# Altium PCB Baseplate.PcbDoc
Units mil, origin at the board's own origin, x right, y up, seen from the top; angles counter-clockwise.
Board outline 3828.93 x 2255.32 mil, 2 copper layers (Top Layer, Bottom Layer); 102 components, 81 nets, 353 pads, 169 vias.
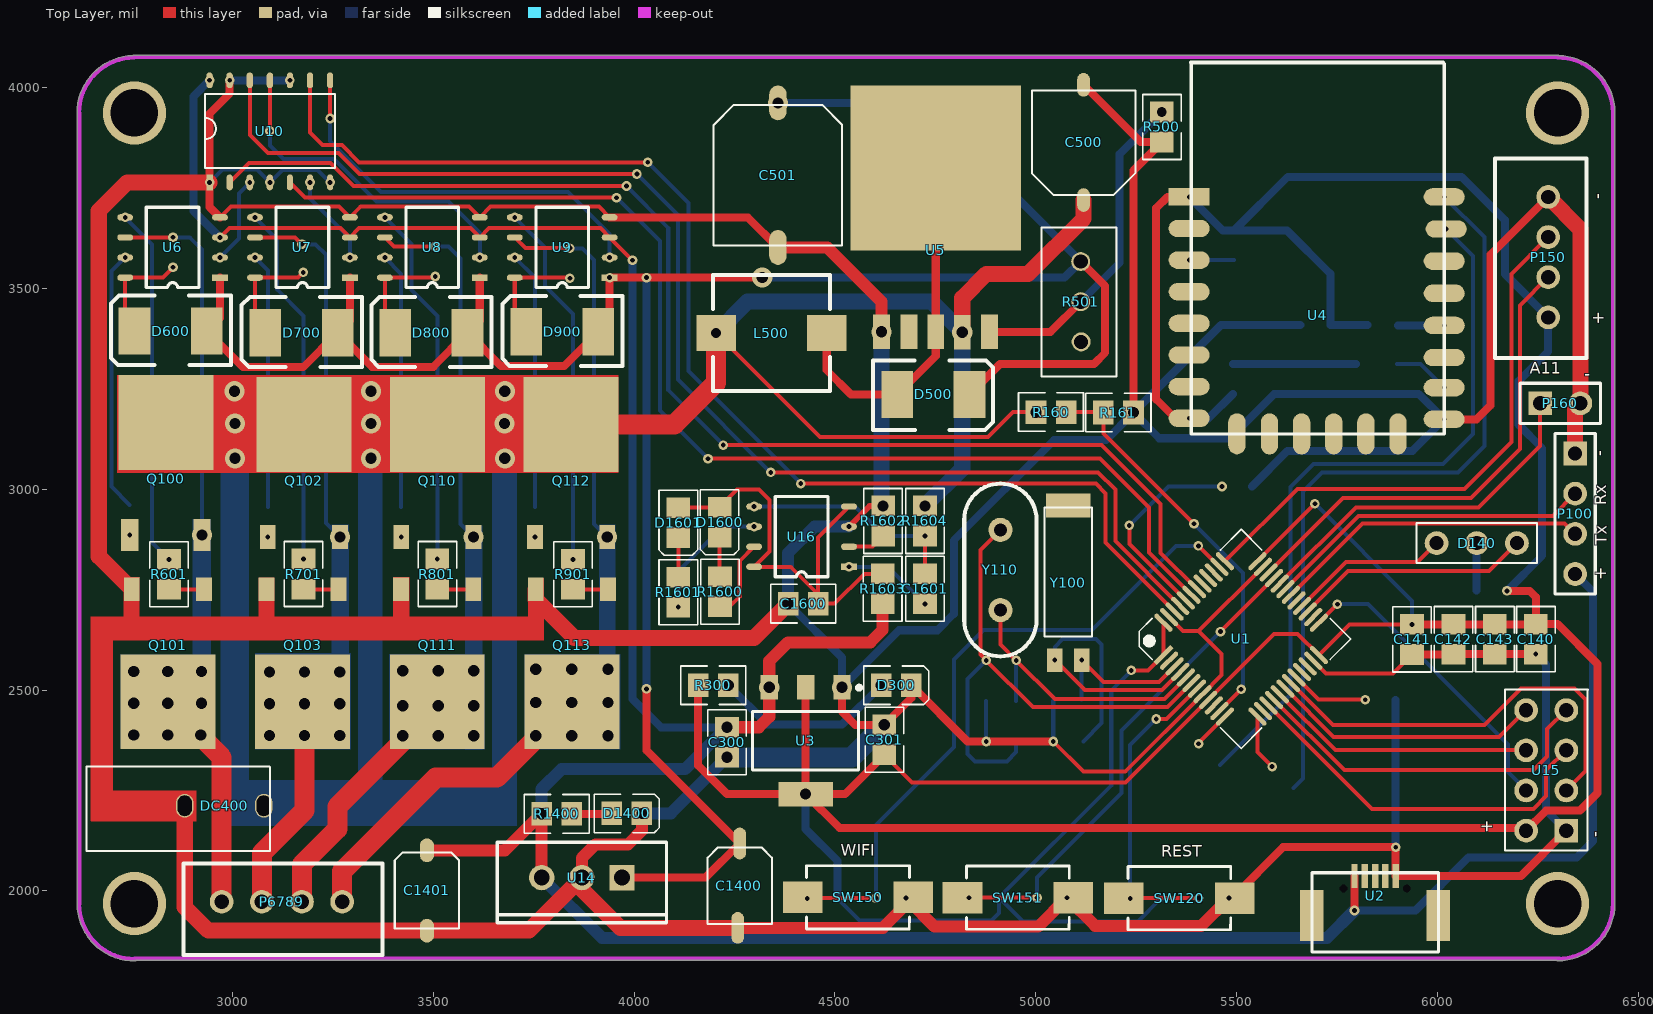
[diagram p0: Top Layer view]
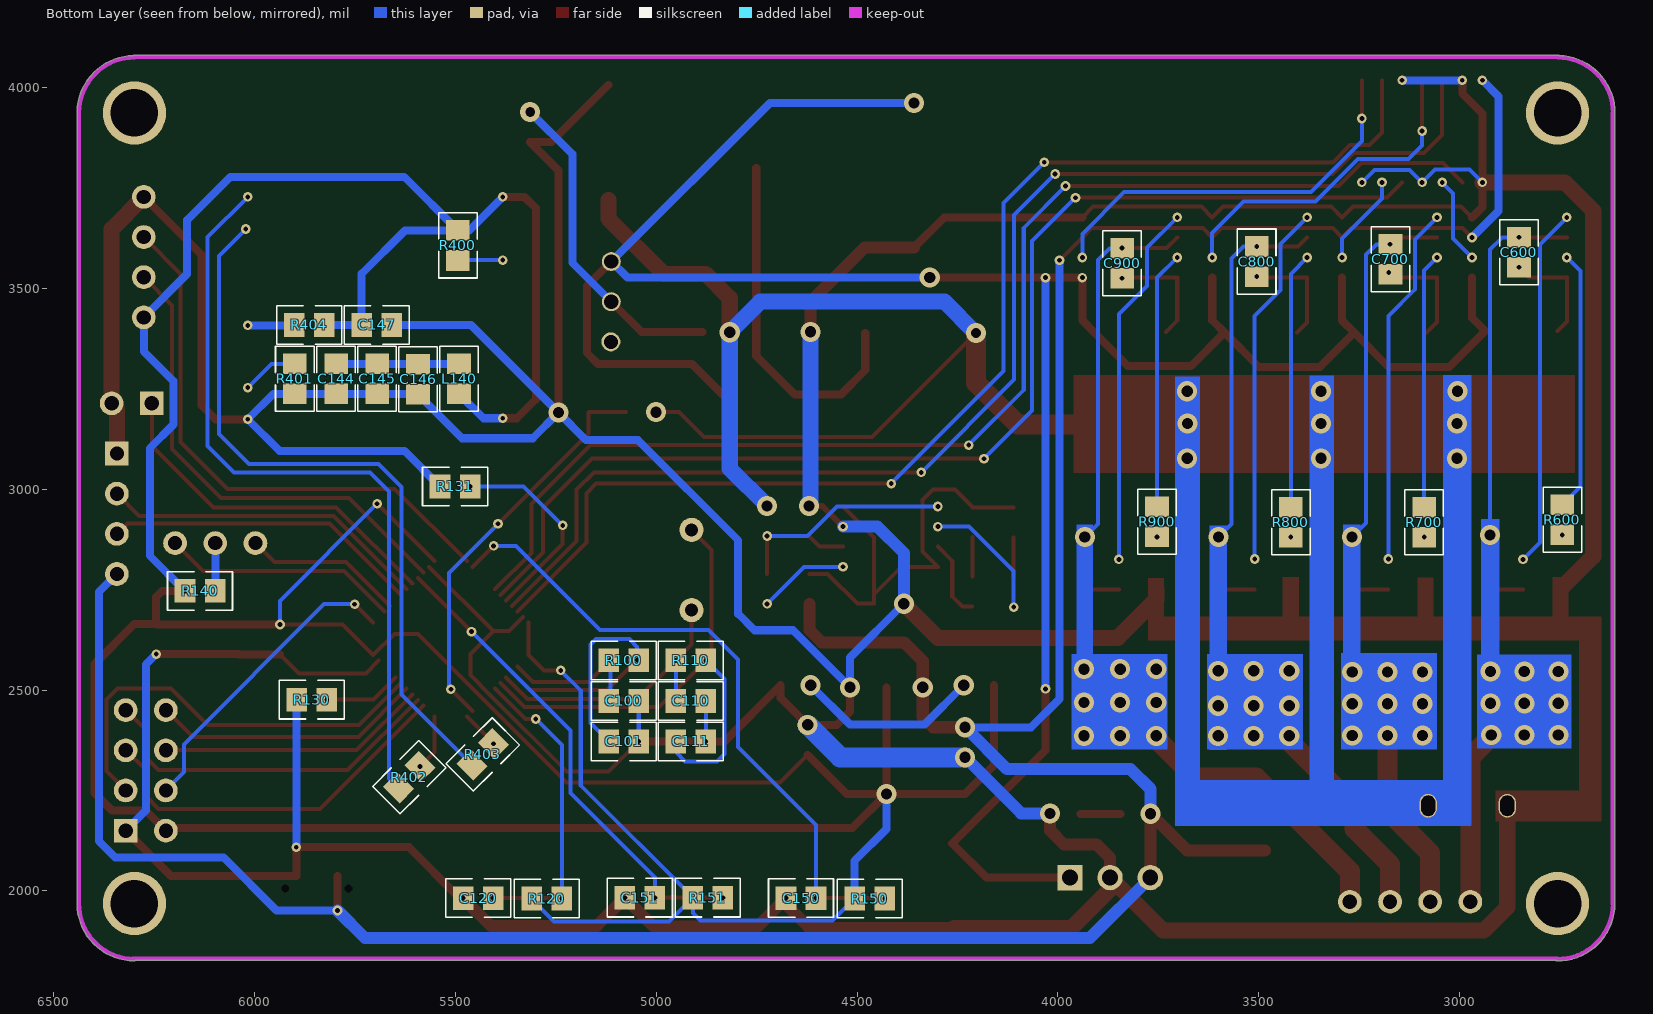
[diagram p1: Bottom Layer view, seen from below]
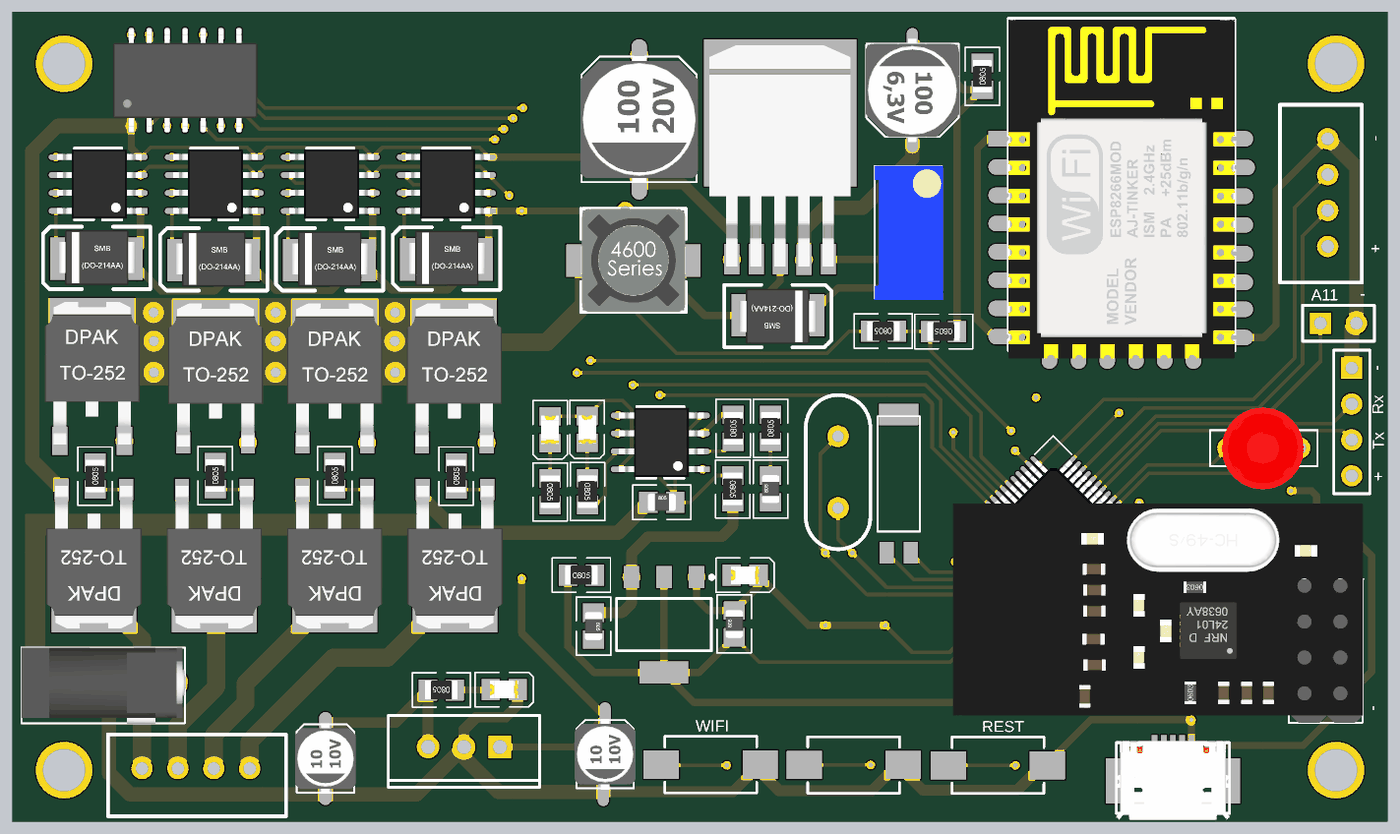
[diagram p2: 3D render of the assembled board from above, using the file's embedded part models]
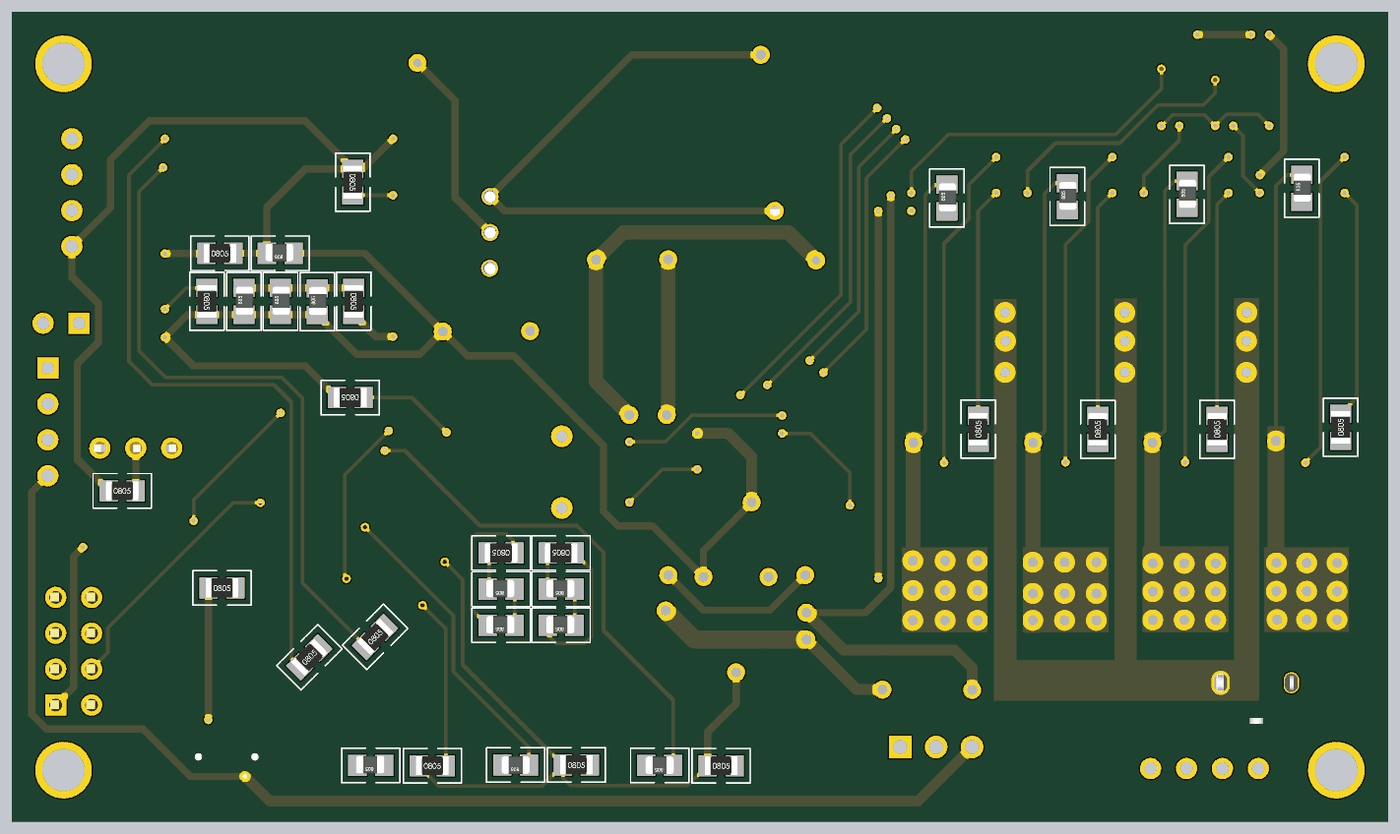
[diagram p3: 3D render of the assembled board from below, using the file's embedded part models]

## Layer stack, top to bottom
Top Solder: solder mask 0.4, Solder Resist, Dk 3.5
Top Layer: signal copper 1.4
Dielectric 1: dielectric 12.6, FR-4, Dk 4.8
Bottom Layer: signal copper 1.4
Bottom Solder: solder mask 0.4, Solder Resist, Dk 3.5

## Board outline
2613.1,1967.51 ccw(c2755.91,1968.5) 2756.53,1825.69 ccw(c2756.51,1830.71) 2759.86,1826.98 6296.81,1826.98 ccw(c6300.17,1830.71) 6300.2,1825.7 ccw(c6299.21,1968.5) 6442.02,1968.5 ccw(c6299.21,1968.5) 6442.02,1969.13 ccw(c6437.01,1969.11) 6441.93,1970.07 ccw(c6437,1970.99) 6442.02,1970.99 6442.02,3937.75 ccw(c6437,3937.96) 6442.02,3937.96 ccw(c6437,3937.96) 6442.02,3938 ccw(c6299.21,3937.01) 6442.02,3938.51 6442.02,3939.79 ccw(c6437,3939.79) 6441.98,3940.35 ccw(c6299.21,3937.01) 6302,4079.79 ccw(c6298.72,4076) 6298.72,4081.01 2755.12,4081.01 ccw(c2755.12,4076) 2751.81,4079.76 ccw(c2755.91,3937.01) 2613.1,3936.38 ccw(c2618.11,3936.41) 2613.99,3933.56 2613.99,1970.4 ccw(c2618.11,1967.55)

## Design rules (kind name [scope] priority, off if disabled: settings)
Clearance [All] p1: gap=6
HoleSize [All] p1: absolutevalues=TRUE maxlimit=200 minlimit=1 maxpercent=80.000 minpercent=20.000
MinimumSolderMaskSliver [All] p1: minsoldermaskwidth=1
PolygonConnect [All] p1: connectstyle=Relief reliefconductorwidth=10 reliefentries=4 polygonreliefangle="90 Angle" airgapwidth=10
RoutingVias [All] p1: holewidth=28 width=50 viastyle="Through Hole" minholewidth=12 minwidth=24 maxholewidth=28 maxwidth=60
SolderMaskExpansion [All] p1: expansion=4
Width Width_2 [InNet('AGND')] p1: maxlimit=50 minlimit=10 preferedwidth=10 minimp=50.000000 maximp=50.000000 favimp=50.000000
Width Width_1 [InNet('POWER')] p2: maxlimit=50 minlimit=10 preferedwidth=50 minimp=50.000000 maximp=50.000000 favimp=50.000000
Width MOTOR4 [InNet('MOTOR4')] p3: maxlimit=50 minlimit=10 preferedwidth=10 minimp=50.000000 maximp=50.000000 favimp=50.000000
Width MOTOR3 [InNet('MOTOR3')] p4: maxlimit=50 minlimit=10 preferedwidth=10 minimp=50.000000 maximp=50.000000 favimp=50.000000
Width MOTOR2 [InNet('MOTOR2')] p5: maxlimit=50 minlimit=10 preferedwidth=10 minimp=50.000000 maximp=50.000000 favimp=50.000000
Width MOTOR1 [InNet('MOTOR1')] p6: maxlimit=50 minlimit=10 preferedwidth=10 minimp=50.000000 maximp=50.000000 favimp=50.000000
Width 3V3 [InNet('3V3')] p7: maxlimit=20 minlimit=10 preferedwidth=20 minimp=50.000000 maximp=50.000000 favimp=50.000000
Width 12V [InNet('12V')] p8: maxlimit=20 minlimit=10 preferedwidth=15 minimp=50.000000 maximp=50.000000 favimp=50.000000
Width 7V2 [InNet('7V2')] p9: maxlimit=50 minlimit=10 preferedwidth=20 minimp=50.000000 maximp=50.000000 favimp=50.000000
Width 5V [InNet('5V')] p10: maxlimit=30 minlimit=10 preferedwidth=20 minimp=50.000000 maximp=50.000000 favimp=50.000000
Width GND [InNet('GND')] p11: maxlimit=100 minlimit=10 preferedwidth=30 minimp=50.000000 maximp=50.000000 favimp=50.000000
Width [All] p12: maxlimit=20 minlimit=10 preferedwidth=10 minimp=50.000000 maximp=50.000000 favimp=50.000000
28 further rules are at their usual default settings.

## Components (designator, comment, footprint, x,y, rotation, side; value= is the part's Value field where it differs from the comment)
C100 "22pf" 0805 5081,2473 r0 bottom
C101 "22pf" 0805 5081,2372 r0 bottom
C110 "22pf" 0805 4914,2473 r0 bottom
C111 "22pf" 0805 4914,2372 r0 bottom
C120 "Cap" 0805 5443.6,1982 r0 bottom
C140 "100nF" 0805 6245,2627 r90 top
C141 "100nF" 0805 5937,2626 r90 top
C142 "100nF" 0805 6040,2627 r90 top
C143 "100nF" 0805 6143,2627 r90 top
C144 "100nF" 0805 5797,3275 r90 bottom
C145 "100nF" 0805 5695,3275 r90 bottom
C146 "100nF" 0805 5593,3274 r90 bottom
C147 "100nF" 0805 5696,3409 r0 bottom
C150 "0.1UF" Cap0805 4639.6,1982 r0 bottom
C151 "0.1UF" Cap0805 5040.6,1983 r0 bottom
C300 "10UF" Cap0805 4231,2370 r270 top
C301 "22UF" Cap0805 4623,2376 r90 top
C500 "100UF" SMD6.3*7.7 5119,3863 r90 top
C501 "Cap Pol5" SMD8*10.5 4358,3782 r270 top
C600 "10UF" 0805 2852,3590 r90 bottom
C700 "10UF" 0805 3172,3573 r90 bottom
C800 "10UF" 0805 3505,3567 r90 bottom
C900 "10UF" 0805 3840,3563 r90 bottom
C1400 "10UF" SMD4*4.5#1 4263,2013 r270 top
C1401 "10UF" SMD4*4.5#2 3484,2001 r270 top
C1600 "10UF" Cap0805 4421,2715 r0 top
C1601 "10UF" Cap0805 4724,2752 r90 top
D140 "双色LED" ˫ɫLED 6198,2866 r180 top
D300 "LED0" LED-0805 4653,2512 r0 top
D500 "SS17" DO-214AA 4660,3236 r0 top
D600 "SS14" DO-214AA 2931,3394 r180 top
D700 "SS14" DO-214AA 3257,3390 r180 top
D800 "SS14" DO-214AA 3580,3390 r180 top
D900 "SS14" DO-214AA 3906,3392 r180 top
D1400 "LED0" LED-0805 3982,2193 r0 top
D1600 "绿" LED-0805 4213,2918 r270 top
D1601 "红" LED-0805 4110,2917 r270 top
DC400 "DC-03" DC-003 3078,2212 r270 top
L140 "Inductor" 0805 5491,3275 r270 bottom
L500 "Inductor" 68uH-7*7 4204,3389 r0 top
P100 "Header 4" HDR1X4 6343,3089 r270 top
P150 "SWD" XH2.54-4P 6276,3428 r90 top
P160 "Header 2" HDR1X2 6256,3214 r0 top
P6789 "Header 4" XH2.54-4P 3273,1973 r180 top
Q100 "NMOS" DPAK/TO-252AA#1 2839,3036 r0 top
Q101 "NMOS" DPAK/TO-252AA#2 2839,2601 r180 top
Q102 "NMOS" DPAK/TO-252AA#2 3178,3031.08 r0 top
Q103 "NMOS" DPAK/TO-252AA#2 3174.33,2601 r180 top
Q110 "NMOS" DPAK/TO-252AA#2 3510,3031.08 r0 top
Q111 "NMOS" DPAK/TO-252AA#2 3509.67,2601 r180 top
Q112 "NMOS" DPAK/TO-252AA#2 3843,3031.08 r0 top
Q113 "NMOS" DPAK/TO-252AA#2 3845,2601 r180 top
R100 "Res" 0805 5081,2574 r0 bottom
R110 "Res" 0805 4914,2574 r0 bottom
R120 "Res" 0805 5272.6,1981 r180 bottom
R130 "Res" 0805 5858,2476 r180 bottom
R131 "Res" 0805 5501,3007 r0 bottom
R140 "Res" 0805 6136,2747 r180 bottom
R150 "Res" 0805 4468.6,1981 r180 bottom
R151 "Res" 0805 4871.6,1983 r180 bottom
R160 "Res" 0805 5038,3192 r180 top
R161 "Res" 0805 5206,3191 r180 top
R300 "Res" 0805 4197,2512 r0 top
R400 "Res" 0805 5494,3607 r270 bottom
R401 "Res" 0805 5900,3275 r270 bottom
R402 "Res" 0805 5615,2283 r135 bottom
R403 "Res" 0805 5432,2340 r135 bottom
R404 "Res" 0805 5864,3409 r180 bottom
R500 "Res" 0805 5314,3902 r90 top
R501 "10K" 3296W 5112,3567 r270 top
R600 "" 0805 2744,2924 r90 bottom
R601 "" 0805 2842,2788 r90 top
R700 "" 0805 3088,2918 r90 bottom
R701 "" 0805 3177,2789 r90 top
R800 "" 0805 3420,2918 r90 bottom
R801 "" 0805 3510,2789 r90 top
R900 "" 0805 3753,2919 r90 bottom
R901 "" 0805 3848,2788 r90 top
R1400 "Res" 0805 3807,2192 r180 top
R1600 "Res" 0805 4214,2745 r270 top
R1601 "Res" 0805 4110,2744 r270 top
R1602 "Res" 0805 4620,2921 r90 top
R1603 "Res" 0805 4619,2752 r270 top
R1604 "Res" 0805 4724,2921 r90 top
SW120 "SW-PB" SW-PB 5359.6,1982 r0 top
SW150 "SW-PB" SW-PB 4559.6,1984 r0 top
SW151 "SW-PB" SW-PB 4957.6,1983 r0 top
U1 "STM32F103CBT6" LQFP-48 5318,2587 r45 top
U2 "microusb" microusb 5845,1982 r180 top
U3 "ASM1117-3.3V" SOT-223 4427,2374 r180 top
U4 "ESP8266" ESP8266 5382,3728 r0 top
U5 "XL6009" TO-263-5 4741,3797 r270 top
U6 "IR2401S" SOP8 2969,3527 r180 top
U7 "IR2401S" SOP8 3292.33,3527 r180 top
U8 "IR2401S" SOP8 3615.67,3527 r180 top
U9 "IR2401S" SOP8 3939,3527 r180 top
U10 "74HC125D" SOP14 2943,3764 r90 top
U14 "L7805" TO-220-3 3870,2033 r180 top
U15 "NRF24L01+" DIP8NRF 6221,2451 r0 top
U16 "TP4056" SOP8 4535,2807 r180 top
Y100 "32.768K" 308晶振 5081,2767 r270 top
Y110 "8MHz" X-HC49U 4912,2799 r270 top

## Footprints (in the part's own frame and the unit in brackets; to place one, negate y for a bottom-side part, rotate by r counter-clockwise, add the part's x,y. Pads: shape width x height; smd on the part's side, far side on the other; paste and mask are expansions set on the pad)
68uH-7*7 [mm] "功率电感"
  rect 2.5x2.3 smd: 1(0,0) 2(7,0)
  silkscreen extent -0.2,-3.66 7.21,3.66, body extent -0.21,-3.64 7.22,3.66, height 4.55
308晶振 [mm] "32.768KHz"
  rect 1.5x2.8 smd: 0(-4.889,0)
  rect 1.5x1 smd: 1(4.889,-0.85) 2(4.889,0.85)
  silkscreen extent -4.76,-1.5 3.39,1.5, body extent -4.76,-1.5 3.37,1.55, height 3
0805 [mm]
  rect 1.3x1.5 smd: 1(-0.95,0) 2(0.95,0)
  silkscreen extent -2.06,-1.22 2.06,1.22, body extent -0.95,-0.68 1.05,0.57, height 0.78
3296W [mm] "可调变阻器"
  round 1.2 hole 0.9: 1(0,0) 2(2.54,0) 3(5.08,0.025)
  silkscreen extent -2.16,-2.49 7.26,2.26, body extent -2.18,-2.51 7.32,2.34, height 11.5
Cap0805 [mm] "贴片电容"
  rect 1.3x1.5 smd: 1(-0.95,0) 2(0.95,0)
  silkscreen extent -2.06,-1.22 2.06,1.22, body extent -1,-0.62 1,0.63, height 0.78
DC-003 [mm]
  oval 1.5x1.1 hole 0.9 slot 1.3 at 0 deg: 1(0,0) 2(0,-5)
  silkscreen extent -2.49,-11.2 2.87,0.38, body extent -2.5,-11.22 2.9,0.38, height 7.4
DIP8NRF [mm]
  rect 1.5x1.5 hole 0.9: 1(2.54,-7.645)
  round 1.5 hole 0.9: 2(0,-7.645) 3(2.54,-5.105) 4(0,-5.105) 5(2.54,-2.565) 6(0,-2.565) 7(2.54,-0.025) 8(0,-0.025)
  silkscreen extent -1.35,-8.92 3.91,1.3, body extent -25.11,-8.89 3.89,6.6, height 11.12
DO-214AA [mm] "肖特基二极管"
  rect 2x3 smd: 1(-0.127,0) 2(4.445,0)
  silkscreen extent -1.65,-2.26 5.94,2.16, body extent -0.62,-2.03 4.88,1.87, height 2.45
DPAK/TO-252AA#1 [mm] "N沟MOS管"
  rect 1.1x2 smd: 1(-2.413,-3.81) 3(2.159,-3.81)
  rect 6x6 smd: 2(-0.127,3.302)
  body extent -3.49,-4.06 3.24,6.04, height 2.37
DPAK/TO-252AA#2 [mm] "N沟MOS管"
  rect 1x1.5 smd: 1(-2.286,-3.81) 3(2.286,-3.81)
  rect 6x6 smd: 2(0,3.302)
  body extent -3.37,-4.07 3.37,6.03, height 2.37
ESP8266 [mm]
  rect 2.6x1.1 smd: 1(0,0)
  oval 2.6x1.1 smd: 2(0,-2) 3(0,-4) 4(0,-6) 5(0,-8) 6(0,-10) 7(0,-12) 8(0,-14) 15(16.127,-14.065) 16(16.127,-12.065) 17(16.129,-10.16) 18(16.129,-8.128) 19(16.129,-6.096) 20(16.129,-4.064) 21(16.256,-2.032) 22(16.129,0)
  oval 1.1x2.6 smd: 9(3.018,-14.984) 10(5.08,-14.986) 11(7.112,-14.986) 12(9.144,-14.986) 13(11.176,-14.986) 14(13.208,-14.986)
  silkscreen extent 0.13,-15 16.13,8.51, body extent 0.12,-15.56 16.13,8.44, height 2.65
HDR1X2 [mm] "Connector; Header; 2 Position"
  rect 1.5x1.5 hole 0.9: 1(0,0)
  round 1.5 hole 0.9: 2(2.54,0)
  silkscreen extent -1.27,-1.27 3.81,1.27
HDR1X4 [mm] "Connector; Header; 4 Position"
  rect 1.5x1.5 hole 0.9: 1(0,0)
  round 1.5 hole 0.9: 2(2.54,0) 3(5.08,0) 4(7.62,0)
  silkscreen extent -1.27,-1.27 8.89,1.27
LED-0805 [mm]
  rect 1.3x1.5 smd: 1(-0.95,0) 2(0.95,0)
  silkscreen extent -2.06,-1.22 2.06,1.22, body extent -1,-0.62 1,0.63, height 0.81
LQFP-48 [mm]
  rect 1.5x0.3 smd: 1(0,0)
  oval 1.5x0.3 smd: 2(0,-0.5) 3(0,-1) 4(0,-1.5) 5(0,-2) 6(0,-2.5) 7(0,-3) 8(0,-3.5) 9(0,-4) 10(0,-4.5) 11(0,-5) 12(0,-5.5) 25(8.4,-5.5) 26(8.4,-5) 27(8.4,-4.5) 28(8.4,-4) 29(8.4,-3.5) 30(8.4,-3) 31(8.4,-2.5) 32(8.4,-2) 33(8.4,-1.5) 34(8.4,-1) 35(8.4,-0.5) 36(8.4,0)
  oval 0.3x1.5 smd: 13(1.45,-6.95) 14(1.95,-6.95) 15(2.45,-6.95) 16(2.95,-6.95) 17(3.45,-6.95) 18(3.95,-6.95) 19(4.45,-6.95) 20(4.95,-6.95) 21(5.45,-6.95) 22(5.95,-6.95) 23(6.45,-6.95) 24(6.95,-6.95) 37(6.95,1.45) 38(6.45,1.45) 39(5.95,1.45) 40(5.45,1.45) 41(4.95,1.45) 42(4.45,1.45) 43(3.95,1.45) 44(3.45,1.45) 45(2.95,1.45) 46(2.45,1.45) 47(1.95,1.45) 48(1.45,1.45)
  silkscreen extent -0.7,-7.65 9.1,2.15, body extent -0.31,-7.29 8.69,1.71, height 1.5
microusb [mm]
  rect 1.5x3.2 smd: 0(4,1.1) 6(-4,1.1)
  rect 0.4x1.5 smd: 1(1.3,-1.4) 2(0.65,-1.4) 3(0,-1.4) 4(-0.65,-1.4) 5(-1.3,-1.4)
  round 0 hole 0.5: 8(2,-0.6) 9(-2,-0.6)
  silkscreen extent -4,-1.6 4,3.4, body extent -4.04,-1.71 4.04,3.86, height 2.73
SMD4*4.5#1 [mm] "10UF/16V"
  oval 2x0.8 smd: 1(-2.667,0) 2(2.667,-0.127)
  silkscreen extent -2.41,-2.03 2.41,2.03, body extent -2.5,-2.15 2.5,2.15, height 5.4
SMD4*4.5#2 [mm] "10UF/16V"
  oval 1.5x0.9 smd: 1(-2.54,0) 2(2.54,0)
  silkscreen extent -2.41,-2.03 2.41,2.03, body extent -2.5,-2.15 2.5,2.15, height 5.4
SMD6.3*7.7 [mm] "100UF/35V电解电容"
  oval 1.5x0.8 smd: 1(-3.632,0) 2(3.658,0)
  silkscreen extent -3.3,-3.28 3.3,3.25, body extent -3.65,-3.3 3.65,3.3, height 5.9
SMD8*10.5 [mm] "220UF/35V"
  oval 2.2x1.1 smd: 1(-4.572,0) 2(4.572,0)
  silkscreen extent -4.45,-4.06 4.45,4.06, body extent -4.5,-4.15 4.5,4.15, height 11.9
SOP8 [mm]
  rect 1x0.4 smd: 1(0,0)
  oval 1x0.4 smd: 2(0,-1.27) 3(0,-2.54) 4(0,-3.81) 5(6,-3.81) 6(6,-2.54) 7(6,-1.27) 8(6,0)
  silkscreen extent 1.33,-4.44 4.67,0.64, body extent -0.08,-4.36 5.92,0.54, height 1.75
SOP14 [mm]
  rect 1x0.4 smd: 1(0,0)
  oval 1x0.4 smd: 2(0,-1.27) 3(0,-2.54) 4(0,-3.81) 5(0,-5.08) 6(0,-6.35) 7(0,-7.62) 8(6.457,-7.62) 9(6.457,-6.35) 10(6.457,-5.08) 11(6.457,-3.81) 12(6.457,-2.54) 13(6.457,-1.27) 14(6.457,0)
  silkscreen extent 0.91,-7.92 5.59,0.28, body extent -0.43,-8.92 6.87,1.28, height 1.1
SOT-223 [mm]
  rect 1.1x1.55 smd: 1(-2.3,-3.375) 2(0,-3.375) 3(2.3,-3.375)
  rect 3.45x1.55 smd: 4(0,3.375)
  silkscreen extent -3.5,-3.48 3.35,1.85, body extent -3.3,-3.94 3.3,3.43, height 0.8
SW-PB [mm] "贴片按键"
  rect 2.5x2 smd: 1(-3.556,0) 2(3.444,0)
  silkscreen extent -3.31,-2 3.19,2, body extent -3.3,-2.03 3.17,2.03, height 1.2
TO-220-3 [mm]
  rect 1.6x1.6 hole 1: 1(-2.54,0)
  round 1.6 hole 1: 2(0,0) 3(2.54,0)
  silkscreen extent -5.35,-2.24 5.35,2.85, body extent -7.23,-1.83 7.17,9.09, height 21.1
TO-263-5 [mm]
  rect 2.16x1.07 smd: 1(10.287,-3.175) 2(10.287,-1.448) 3(10.287,0.254) 4(10.312,1.93) 5(10.287,3.658)
  rect 10.41x10.8 smd: 3(-0.076,0.254)
  body extent -4.86,-4.78 10.81,5.22, height 4.83
X-HC49U [mil] "直插无源晶振"
  round 60 hole 32: 1(-100,0) 2(100,0)
  silkscreen extent -215,-90 215,90, body extent -186,-89 194,91, height 87
XH2.54-4P [mm] "SWD下载口"
  round 1.5 hole 0.9: 1(0,0) 2(2.54,0) 3(5.08,0) 4(7.62,0)
  silkscreen extent -2.57,-2.41 10.03,3.38, body extent -2.57,-2.42 10.03,3.38, height 7
˫ɫLED [mm] "共阳"
  round 1.5 hole 0.9: 1(0,0) 2(2.54,0) 3(5.08,0)
  silkscreen extent -1.27,-1.27 6.35,1.27, body extent -0.43,-2.88 5.51,2.92, height 12.08

## Part data
C100 C101 C110 C111 C140 C141 C142 C143 C144 C145 C146 C147 C150 C151 C600 C700 C800 C900 C1600 C1601: library part Cap, "0805贴片电容"
C120: "0805贴片电容"
C300: library part "Cap Pol3", "10UF钽电容"
C301: library part "Cap Pol2", "22UF钽电容"
C500: library part "Cap Pol4", "100UF电解电容"
C501: "220UF电解电容"
C1400 C1401: library part "Cap Pol4", "10UF钽电容"
D140: library part ˫ɫLED, "直插双色LED灯"
D300 D1400: "0805贴片LED灯"
D500: library part "Diode 1N4007", "1 Amp General Purpose Rectifier"
D600 D700 D800 D900: library part Doide, "肖特基二极管"
D1600 D1601: library part LED0, "0805贴片LED灯"
DC400: library part DC-05, "DC电源端子"
P100 P6789: "Header, 4-Pin"
P150: "SWD下载端口"
P160: "Header, 2-Pin"
Q100 Q101 Q102 Q103 Q110 Q111 Q112 Q113: "N沟MOS管"
R140 R150 R151 R160 R161 R400 R401 R402 R403 R404 R1600 R1601 R1602 R1603 R1604: "0805贴片电阻"
R501: library part ResAdj, "3362电阻"
R600 R601 R700 R701 R800 R801 R900 R901: library part Res
SW120 SW150 SW151: "贴片按键"
U1: library part STM32F103C8T6, "Cortex-M3内核单片机"
U3: library part ASM1117, "线性稳压芯片"
U4: "串口wifi模块"
U5: "升压芯片"
U6 U7 U8 U9: "半桥驱动器"
U14: "5V线性稳压芯片"
U15: "直插式NRF"
U16: "锂电池充电芯片"
Y110: library part XTAL, "无源晶振"

## Free pads (board coordinates)
  round 157.48 hole 118.11: 0(2755.91,1968.5) 0(2755.91,3937.01) 0(6299.21,1968.5) 0(6299.21,3937.01)

## Via types
v1: diameter 24, hole 12, Top Layer to Bottom Layer, 99 vias
v2: diameter 50, hole 28, Top Layer to Bottom Layer, 68 vias
v3: diameter 50, hole 24, Top Layer to Bottom Layer, 2 vias

## Nets (pads, with @x,y where several pads share a name; then routed paths per layer and width w, separated by ;. In a path a pad name is that pad's centre, name@x,y a point inside that pad or via, vN(x,y) a via of type N, cw(c..) or ccw(c..) an arc to the next point about the centre after c; other vN are vias at no path point)
5V: C300.1 C1401.1 P100.4 R1400.2 R1603.2 U2.1 U3.3 U6.3 U7.3 U8.3 U9.3 U10.14 U14.3 | length 8151.8
  Top Layer w10: v1(2969,3627) 2992,3650 3269.33,3650 U7.3 3315.33,3650 3592.67,3650 U8.3 3638.67,3650 3916,3650 U9.3 v1(3996,3570)
  Top Layer w20: v1(5793.82,1951.18) U2.1
  Top Layer w30: C1401.1 3678.6,2101 v2(3769.6,2192) U14.3@3769.6,2033.4 ; v2(4231,2407.4) 4310.4,2407.4 4336.45,2433.45 v2(4336.45,2506.87) 4336.45,2572.45 4383,2619 4588,2619 4619,2650 R1603.2
  Bottom Layer w20: v1(2943,4018.22) 2903,3978.22 2903,3693 v1(2969,3627) ; v1(3996,3570) 3996,2478 4066.6,2407.4 v2(4231,2407.4) ; v1(5793.82,1951.18) 5945.18,1951.18 6077,2083 6347,2083 6388,2124 6388,2744 P100.4
  Bottom Layer w30: v2(3769.6,2192) 3769.6,2253.6 3819,2303 4126.6,2303 v2(4231,2407.4) ; U14.3 3920,1883 5725.64,1883 v1(5793.82,1951.18)
12V: C501.1 C1400.1 D500.2 D600.1 D700.1 D800.1 D900.1 R501.1 U6.1 U7.1 U8.1 U9.1 U14.1 | length 6355.1
  Top Layer w20: U6.1 2969,3427 D600.1 3026,3304 3176,3304 D700.1 ; U7.1 3292.33,3420.33 D700.1 ; U8.1 3615.67,3420.67 D800.1 ; U14.1 4178,2033 C1400.1 4031,2350 v1(4031,2503) ; v2(4319,3527) v1(4031,3527) v1(3939,3527) 3939,3420 D900.1 3826,3307 3668,3307 D800.1 ; D500.2 4911,3312 5145,3312 5173,3340 5173,3506 R501.1 ; D700.1 3347,3305 3500,3305 D800.1
  Bottom Layer w20: v1(4031,2503) 4031,3525 4032,3526 v1(4031,3527) ; v2(4319,3527) 5072,3527 R501.1 4717,3962 v2(4358,3962)
BATTERY: R160.1 R161.2 U1.11 | length 1003.6
  Top Layer w10: R160.1 R161.2@5167.6,3192 ; R161.2 5168.6,3139.4 v1(5394,2914) ; U1.11 v1(5511.39,2502)
  Bottom Layer w10: v1(5394,2914) 5516,2792 5516,2506.61 v1(5511.39,2502)
BOOT0: R131.1 U1.44 | length 515.6
  Top Layer w10: v1(5233,2910) 5233,2864.09 U1.44
  Bottom Layer w10: v1(5233,2910) 5330,3007 v1(5463.6,3007)
BOOT1: R130.2 U1.20 | length 194.2
  Top Layer w10: U1.20 5704.6,2476 v1(5820.6,2476)
ESP_RX: R403.2 U1.12 | length 94.6
  Top Layer w10: v1(5405.55,2366.45) 5405.55,2368.33 U1.12
ESP_TX: R402.2 U1.13 | length 139.6
  Top Layer w10: U1.13 5551.85,2346.15 v1(5588.55,2309.45)
GND: C100.1 C101.1 C110.1 C111.1 C120.2 C140.1 C141.1 C142.1 C143.1 C144.1 C145.1 C146.1 C147.1 C150.2 C151.2 C300.2 C301.2 C500.2 C501.2 C1400.2 C1401.2 C1600.1 D300.2 D1400.2 DC400.2 P100.1 P150.4 P160.2 Q101.3 Q103.3 Q111.3 Q113.3 R130.1 R131.2 R161.1 R401.2 R500.1 R1602.2 SW120.2 SW150.2 SW151.2 U1.8 U1.23 U1.35 U1.47 U2.5 U3.1 U4.15 U5.1 U6.4 U7.4 U8.4 U9.4 U10.1 U10.4 U10.7 U10.10 U10.13 U14.2 U15.1 U16.3 | length 19715.3
  Top Layer w10: U6.4 2996,3704 3265.33,3704 U7.4 3319.33,3704 3588.67,3704 U8.4 3642.67,3704 3912,3704 U9.4 ; v1(5043.6,2372) 5118.6,2297 5222.87,2297 U1.8 5463,2537.13 5463,2589.84 5405.84,2647 ; U1.47 5366.57,2647 5405.84,2647 ; U1.35 5405.84,2647 ; U1.23 5723.12,2541 5889.4,2541 C141.1
  Top Layer w15: v1(4535,2907) 4586.4,2958.4 v2(4620,2958.4)
  Top Layer w20: U6.4 2943,3703 v1(2943,3764) 2943,3935 2993,3985 v1(2993,4018.22) ; U9.4 4283,3677 C501.2 ; v2(4517.55,2506.87) 4517.55,2446.45 4550.6,2413.4 v2(4623,2413.4) 4690.4,2480.8 D300.2 4830.4,2372 v1(4876.6,2372) v1(5043.6,2372) ; C500.2 5261.4,3864.6 R500.1 5243.4,3794 v2(5243.4,3191) ; SW120.2 5492.19,1985 5616.01,2108.82 v1(5896.18,2108.82) U2.5 6208.12,2037.12 U15.1 ; C141.1 6039,2588.6 C142.1 C143.1 v1(6245,2589.6) ; v1(6016.92,3174.26) 6097.26,3174.26 6132,3209 6132,3584 P150.4
  Top Layer w30: U14.2 3870,2082 3904,2116 3985,2116 4019.4,2150.4 v2(4019.4,2193) ; C1400.2 4619.19,1908 SW150.2@4685.1,1973.91 ; C501.2 4481,3602 4616,3467 v2(4616,3392) ; v1(4677,1982) SW150.2@4685.1,1973.91 ; v1(5481,1982) 5412,1913 5148,1913 v1(5078,1983) 5006,1911 4748,1911 SW150.2@4685.1,1973.91
  Top Layer w40: Q101.3 2667,2833 2667,3693 2738,3764 v1(2943,3764) ; DC400.2 2881.15,1959.85 2940,1901 C1401.2 3738,1901 U14.2 3870,2004 3966,1908 C1400.2 ; Q113.3 3755,2726 3851,2630 4298.6,2630 v2(4383.6,2715) ; P150.4 6356,3648 P160.2 6343,3201 P100.1
  Bottom Layer w10: v1(2943,3764) 2975,3796 3061,3796 v1(3093,3764) 3124,3795 3212,3795 v1(3243,3764) ; v1(4876.6,2372) C110.1 ; v1(5043.6,2372) C100.1
  Bottom Layer w20: v1(2993,4018.22) v1(3143,4018.22) ; v2(4383.6,2715) 4517.55,2581.04 v2(4517.55,2506.87) 4659.68,2649 4755,2649 4796,2690 4796,2873 5046,3123 5175.4,3123 v2(5243.4,3191) ; R131.2 5626.4,3095 5937.66,3095 v1(6016.92,3174.26) 5953.58,3237.6 R401.2 C146.1@5594,3237.6 ; C146.1 5483.4,3127 5307.4,3127 v2(5243.4,3191) ; C147.1 5461.4,3409 v2(5243.4,3191) ; v1@5896,2108.82 R130.1@5896,2475.4 ; v1(6245,2589.6) 6271,2563.6 6271,2200 U15.1
  Bottom Layer w30: v2(4019.4,2193) 4091.4,2193 v2(4231,2332.6) ; v2(4383.6,2715) 4383.6,2841.6 4449,2907 v1(4535,2907)
  Bottom Layer w40: v2(4616,3392) 4616,2962.4 v2(4620,2958.4)
  Bottom Layer w50: v2(4231,2332.6) 4542.2,2332.6 v2(4623,2413.4)
JTCK: P150.3 U1.37 | length 1384.1
  Top Layer w10: U1.37 5651.27,3001 6067,3001 6184,3118 6184,3536 P150.3
JTMS: P150.2 U1.34 | length 1210.5
  Top Layer w10: U1.34 5764.68,2978 6084,2978 6206,3100 6206,3458 P150.2
KEY1: C151.1 R151.2 SW151.1 U1.33 | length 1226.2
  Top Layer w10: SW151.1 v1(5003.2,1983) ; v1(5460,2645.48) U1.33
  Bottom Layer w10: v1(5003.2,1983) 5003.2,2033.2 5214,2244 5214,2399.48 v1(5460,2645.48)
  other v1: 4834.2,1983
KEY_DOOR: P160.1 U1.32 | length 896.5
  Top Layer w10: U1.32 5797.36,2955 6103,2955 6256,3108 P160.1
LIGHT_GREE: D140.1 U1.27 | length 591.5
  Top Layer w10: U1.27 5777.55,2796 6128,2796 D140.1
LIGHT_REG: D140.3 U1.28 | length 399.6
  Top Layer w10: U1.28 5772.71,2819 5951,2819 D140.3
MOTOR1: C600.2 P6789.4 Q100.3 Q101.2 U6.6 | length 1464.1
  Top Layer w10: U6.6 v1@2851.6,3627
  Top Layer w50: v2(2838.5,2467) 2973,2332.5 P6789.4
  Bottom Layer w10: v1(2852,3627.4) 2893.6,3627.4 2924,3597 v2(2924,2886)
  other v2: 2754,2388 2838.5,2388 2921,2388 2754,2467 2923,2467 2754,2546 2838.5,2546 2923,2546
MOTOR2: C700.2 P6789.3 Q102.3 Q103.2 U7.6 | length 1448.2
  Top Layer w10: U7.6 3156,3627 v1(3173,3610)
  Top Layer w50: P6789.3 3073,2094 3179.5,2200.5 v2(3179.5,2466)
  Bottom Layer w10: C700.2@3174,3610 3207,3610 3233,3584 3233,2916.08 v2(3268,2881.08)
  other v2: 3092,2387 3179.5,2387 3267,2387 3092,2466 3267,2466 3092,2545 3179.5,2545 3267,2545
MOTOR3: C800.2 P6789.2 Q110.3 Q111.2 U8.6 | length 1545.1
  Top Layer w10: U8.6 3402.04,3604.4 v1(3505,3604.4)
  Top Layer w50: P6789.2 3173,2066 3261,2154 3261,2209.5 v2(3512.5,2461)
  Bottom Layer w10: C800.2@3506,3605 3538,3605 3568,3575 3568,2913.08 v2(3600,2881.08)
  other v2: 3424,2386 3512.5,2386 3601,2386 3424,2461 3601,2461 3424,2548 3512.5,2548 3601,2548
MOTOR4: C900.2 P6789.1 Q112.3 Q113.2 U9.6 | length 1743.8
  Top Layer w10: U9.6 3729.38,3600.4 v1(3840,3600.4)
  Top Layer w50: P6789.1 3273,2049 3506,2282 3658,2282 v2(3845,2469)
  Bottom Layer w10: C900.2@3842,3600 3871,3600 3900,3571 3900,2914.08 v2(3933,2881.08)
  other v2: 3755,2386 3845,2386 3935,2386 3755,2469 3935,2469 3755,2552 3845,2552 3935,2552
NetC144_2: C144.2 C145.2 C146.2 L140.1 | length 306
  Bottom Layer w20: L140.1 C144.2
NetC600_1: C600.1 D600.2 U6.8 | length 272.4
  Top Layer w10: D600.2 2732.78,3417.22 U6.8 2826.4,3527 v1(2852,3552.6)
NetC700_1: C700.1 D700.2 U7.8 | length 273
  Top Layer w10: D700.2 3056.11,3415.89 U7.8 3163,3527 v1(3176,3540)
NetC800_1: C800.1 D800.2 U8.8 | length 274.2
  Top Layer w10: D800.2 3379.45,3415.55 U8.8 3502.4,3527 v1(3505,3529.6)
NetC900_1: C900.1 D900.2 U9.8 | length 284.5
  Top Layer w10: D900.2 3702.78,3420.22 U9.8 3838.6,3527 v1(3840,3525.6)
NetC1600_2: C1600.2 D1600.1 D1601.1 R1603.1 U16.4 U16.8 | length 1113.4
  Top Layer w10: D1601.1 D1600.1@4212,2954.4 ; D1600.1 4256.6,2999 4311,2999 4337,2973 4337,2845.22 U16.8 4390,2807 4458.4,2738.6 C1600.2 ; U16.4 4458.4,2880.4 C1600.2 ; R1603.1 4573.4,2789.4 4499,2715 C1600.2
NetC1601_1: C1601.1 U16.1 | length 227.3
  Bottom Layer w10: v1(4535,2807) 4631.6,2807 v1(4724,2714.6)
NetC1601_2: C1601.2 R1604.1 U16.5 | length 549.8
  Top Layer w10: C1601.2 v1(4724,2883.6)
  Bottom Layer w10: v1(4298.78,2957) 4550,2957 4623.4,2883.6 v1(4724,2883.6)
NetD140_2: D140.2 R140.2 | length 118.4
  Bottom Layer w20: R140.2@6098,2747.6 D140.2
NetD300_1: D300.1 R300.2 | length 462.4
  Bottom Layer w20: v2(4234.4,2512) 4332.4,2414 4517.6,2414 v2(4615.6,2512)
NetD500_1: D500.1 L500.2 U5.3 | length 896.8
  Top Layer w20: L500.2 4479.59,3296.41 4540,3236 D500.1 4751,3332 4751,3392 U5.3@4751,3800
NetD1400_1: D1400.1 R1400.1 | length 99.2
  Top Layer w20: R1400.1 D1400.1@3943.6,2192
NetD1600_2: D1600.2 R1600.1 | length 97.2
  Top Layer w10: R1600.1@4213,2783.4 D1600.2
NetD1601_2: D1601.2 R1601.1 | length 98.2
  Top Layer w10: R1601.1 D1601.2
NetQ100_1: Q100.1 R600.1
  other v1: 2744,2886
NetQ101_1: Q101.1 R601.1 | length 86.6
  Top Layer w10: R601.1 Q101.1@2928.6,2750.6
NetQ102_1: Q102.1 R700.1
  other v1: 3088,2881.08
NetQ103_1: Q103.1 R701.1 | length 86.7
  Top Layer w10: R701.1@3177.6,2751 Q103.1
NetQ110_1: Q110.1 R800.1
  other v1: 3420,2881.08
NetQ111_1: Q111.1 R801.1 | length 89.1
  Top Layer w10: R801.1@3510.6,2751 Q111.1
NetQ112_1: Q112.1 R900.1
  other v1: 3753,2881.08
NetQ113_1: Q113.1 R901.1 | length 86.6
  Top Layer w10: R901.1@3848.4,2751 Q113.1
NetR400_2: R400.2 U4.3 | length 111.1
  Bottom Layer w10: v1(5382,3570.52) R400.2@5493.08,3570.52
NetR401_1: R401.1 U4.16 | length 141.5
  Bottom Layer w10: R401.1 5957.52,3312.4 v1(6016.92,3253)
NetR402_1: R402.1 U4.22 | length 1907.8
  Bottom Layer w10: R402.1 5665,2280.11 5665,2994 5713,3042 6051,3042 6117,3108 6117,3628 v1(6017,3728)
NetR403_1: R403.1 U4.21 | length 1812.6
  Bottom Layer w10: R403.1 5634,2489.11 5634,3006 5691,3063 6014,3063 6089,3138 6089,3581 v1(6022,3648)
NetR404_1: R404.1 U4.18 | length 114.6
  Bottom Layer w20: R404.1@5902.4,3408 v1(6017,3408)
NetR500_2: R500.2 R501.2 U5.5 | length 814.1
  Top Layer w20: U5.5 5037,3392 R501.2
  Bottom Layer w20: R501.2 5209,3564 5209,3834.4 v3(5314,3939.4)
NetR600_2: R600.2 U6.7 | length 648.2
  Bottom Layer w10: v1(2732.78,3577) 2699,3543.22 2699,3006.4 R600.2
NetR601_2: R601.2 U6.5 | length 896.8
  Bottom Layer w10: v1(2732.78,3677) 2800,3609.78 2800,2867.4 v1(2842,2825.4)
NetR700_2: R700.2 U7.7 | length 634.8
  Bottom Layer w10: v1(3056.11,3577) 3088,3545.11 R700.2
NetR701_2: R701.2 U7.5 | length 900.7
  Bottom Layer w10: v1(3056.11,3677) 3111,3622.11 3111,3498 3177,3432 v1(3177,2826.4)
NetR800_2: R800.2 U8.7 | length 638.4
  Bottom Layer w10: v1(3379.45,3577) 3420,3536.45 R800.2
NetR801_2: R801.2 U8.5 | length 904.7
  Bottom Layer w10: v1(3379.45,3677) 3446,3610.45 3446,3496 3510,3432 v1(3510,2826.4)
NetR900_2: R900.2 U9.7 | length 641.4
  Bottom Layer w10: v1(3702.78,3577) 3753,3526.78 R900.2
NetR901_2: R901.2 U9.5 | length 911.8
  Bottom Layer w10: v1(3702.78,3677) 3778,3601.78 3778,3506 3848,3436 v1(3848,2825.4)
NetR1600_2: R1600.2 U16.7 | length 198.3
  Top Layer w10: R1600.2 4237.6,2707.6 4263,2733 4263,2821.22 U16.7
NetR1601_2: R1601.2 U16.6 | length 324.2
  Bottom Layer w10: v1(4110,2706.6) 4110,2796 4221,2907 v1(4298.78,2907)
NetR1602_1: R1602.1 U16.2 | length 96
  Top Layer w10: U16.2 4593.4,2857 R1602.1
OSC32_IN: C100.2 R100.2 U1.3 Y100.2 | length 367.7
  Top Layer w10: v1(5114.46,2574.5) 5168.96,2520 5306.68,2520 U1.3
  Bottom Layer w10: C100.2@5114.46,2476.94 v1(5114.46,2574.5)
OSC32_OUT: C101.2 R100.1 U1.4 Y100.1 | length 785.1
  Top Layer w10: v1(5047.54,2574.5) 5122.04,2500 5314.52,2500 U1.4
  Bottom Layer w10: v1(5047.54,2574.5) 5047.54,2607.54 5067,2627 5150,2627 5164,2613 5164,2417.6 C101.2
OSC_IN: C110.2 R110.2 U1.5 Y110.2 | length 726.4
  Top Layer w10: Y110.2 4912,2613.4 v1(4951.4,2574) 5047.4,2478 5320.35,2478 U1.5
  Bottom Layer w10: C110.2 v1(4951.4,2574)
OSC_OUT: C111.2 R110.1 U1.6 Y110.1 | length 1353.3
  Top Layer w10: Y110.1 4862,2849 4862,2588.6 v1(4876.6,2574) 4992.6,2458 5328.19,2458 U1.6
  Bottom Layer w10: v1(4876.6,2574) 4830,2527.4 4830,2341 4849,2322 4928,2322 4951.4,2345.4 C111.2
P_OUT_1: U6.2 U10.3 | length 217.7
  Bottom Layer w10: v1(2969,3577) 3016,3624 3016,3737 v1(3043,3764)
P_OUT_2: U7.2 U10.6 | length 228.1
  Bottom Layer w10: v1(3193,3764) 3193,3724 3292.33,3624.67 v1(3292.33,3577)
P_OUT_3: U8.2 U10.11 | length 836.4
  Top Layer w10: v1(3093,3892) U10.11
  Bottom Layer w10: v1(3093,3892) 3093,3856 3127,3822 3253,3822 3359,3716 3538,3716 3615.67,3638.33 v1(3615.67,3577)
P_OUT_4: U9.2 U10.8 | length 1001.9
  Top Layer w10: v1(3243,3923) U10.8
  Bottom Layer w10: v1(3243,3923) 3243,3867 3370,3740 3835,3740 3939,3636 v1(3939,3577)
POWER: C500.1 DC400.1 L500.1 Q100.2 Q102.2 Q110.2 Q112.2 R160.2 R1604.2 U5.4 | length 3120.5
  Top Layer w10: v3(4204,3389) 4463,3130 4881,3130 4943,3192 v2(5000.6,3192)
  Top Layer w40: v2(4817,3391) 4817,3476 4877,3536 4981,3536 5119,3674 C500.1
  Top Layer w50: Q112.2 4100.08,3161.08 4204,3265 v3(4204,3389)
  Bottom Layer w40: v3(4204,3389) 4282,3467 4741,3467 v2(4817,3391) 4817,3051.4 v2(4724,2958.4)
  other v2: 3006,3077 3345,3077 3678,3077 3006,3164 3345,3164 3677,3164 3005,3244 3345,3244 3678,3244
PWM1: U1.42 U10.2 | length 3175.5
  Top Layer w10: U10.2 3041,3812 3244,3812 3301,3755 v1(3981,3755) ; v1(4222,3110) 5164,3110 5311,2963 5311,2841.77 U1.42
  Bottom Layer w10: v1(3981,3755) 4085,3651 4085,3247 v1(4222,3110)
PWM2: U1.43 U10.5 | length 2982.1
  Top Layer w10: U10.5 3181,3726 v1(3956,3726) ; v1(4184,3076) 5160,3076 5282,2954 5282,2842.93 U1.43
  Bottom Layer w10: v1(3956,3726) 4064,3618 4064,3196 v1(4184,3076)
PWM3: U1.45 U10.12 | length 3253.7
  Top Layer w10: U10.12 3043,3882 3088,3837 3264,3837 3316,3785 v1(4007,3785) ; v1(4340,3042) 5155,3042 5198,2999 5198,2871.25 U1.45
  Bottom Layer w10: v1(4007,3785) 4109,3683 4109,3273 v1(4340,3042)
PWM4: U1.46 U10.9 | length 3094.2
  Top Layer w10: U10.9 3193,3888 3224,3857 3272.28,3857 3315.28,3814 v1(4034,3814) ; v1(4415,3014) 5150,3014 5174,2990 5174,2867.41 U1.46
  Bottom Layer w10: v1(4034,3814) 4135,3713 4135,3294 v1(4415,3014)
REST: C120.1 R120.2 SW120.1 U1.7 | length 793.2
  Top Layer w10: SW120.1 v1(5406.2,1982) ; v1(5300,2428) 5326.03,2428 U1.7
  Bottom Layer w10: v1(5235.2,1981) 5235.2,2363.2 v1(5300,2428)
SPI1_CE: U1.19 U15.3 | length 1071.6
  Top Layer w10: U1.19 5739.77,2413 6117,2413 6208,2504 6342,2504 6369,2477 6369,2299 U15.3@6321,2251
SPI1_CSN: U1.25 U15.4 | length 767.2
  Top Layer w10: U1.25 v1(5751,2713.77)
  Bottom Layer w10: v1(5751,2713.77) 5827.23,2713.77 6176,2365 6176,2296 U15.4@6221,2251
SPI1_IRQ: U1.18 U15.8 | length 677.6
  Top Layer w10: U1.18 5741.93,2383 6153,2383 U15.8@6221,2451
SPI1_MISO: U1.16 U15.7 | length 901.7
  Top Layer w10: U1.16 5768.25,2301 6239,2301 6273,2335 6273,2403 U15.7@6321,2451
SPI1_MOSI: U1.17 U15.6 | length 670.9
  Top Layer w10: U1.17 5746.09,2351 U15.6@6221,2351
SPI1_SCK: U1.15 U15.5 | length 947
  Top Layer w10: U1.15 5837.41,2204 6239,2204 6271,2236 6271,2301 U15.5@6321,2351
SYS_VCC: C140.2 C141.2 C142.2 C143.2 C147.2 C301.1 L140.2 P150.1 R120.1 R140.1 R150.1 R151.1 R300.1 R400.1 R404.2 U1.1 U1.9 U1.24 U1.36 U1.48 U3.2 U3.4 U4.1 U4.8 U15.2 | length 11555.7
  Top Layer w10: C301.1 4691.6,2270 5223.71,2270 U1.9 5593.71,2640 5651.96,2640 U1.24 5781.36,2663.4 v1(5937,2663.4) ; v1(5238,2549) 5280,2549 U1.1 U1.48 ; U1.36 v1(5695,2964)
  Top Layer w20: R300.1 4159.6,2312.4 4230.87,2241.13 v2(4427,2241.13) ; U3.2 v2(4427,2241.13) ; C301.1 4525.53,2241.13 v2(4427,2241.13) ; v1(5382,3176.82) 5347.18,3176.82 5300,3224 5300,3700 5328,3728 v1(5382,3728) ; v1(5937,2663.4) C140.2@6244,2663.4 ; v1(6173.4,2747) 6230,2747 6245,2732 C140.2 6299.6,2664.4 6399,2565 6399,2244 6355,2200 6271,2200 U15.2 6221,2157 4511.13,2157 v2(4427,2241.13)
  Bottom Layer w10: R150.1 4561,1926 4890,1926 4909,1945 R151.1 ; v1(5238,2549) 5188,2499 5188,2262 R151.1 ; R120.1@5310,1979.47 5254.53,1924 4968,1924 R151.1 ; v1(5695,2964) 5937,2722 v1(5937,2663.4)
  Bottom Layer w20: v2(4427,2241.13) 4427,2154 4506,2075 R150.1 ; R120.1@5310,1979.47 R120.1 ; v1(5382,3176.82) 5430.22,3176.82 L140.2 ; v1(5382,3728) 5465.6,3644.4 R400.1 ; R404.2 C147.2 5733.4,3536.6 5625.6,3644.4 R400.1 ; v1(6173.4,2747) 6261,2834.6 6261,3102 6202,3161 6202,3269 6276,3343 P150.1 6168,3536 6168,3670 6060,3778 5627.6,3778 R400.1
UASR1_RX: P100.2 U1.31 | length 820
  Top Layer w10: U1.31 5804.19,2934 6288,2934 P100.2
UASR1_TX: P100.3 U1.30 | length 792
  Top Layer w10: U1.30 5813.03,2915 6317,2915 P100.3
WIFI: C150.1 R150.2 SW150.1 U1.38 | length 1660.3
  Top Layer w10: SW150.1@4416.6,1981 4417.6,1982 v1(4602.2,1982) ; v1(5405.06,2859.06) U1.38
  Bottom Layer w10: v1(4602.2,1982) 4602.2,2164.2 4796,2358 4796,2576 4870,2650 5140,2650 5349.06,2859.06 v1(5405.06,2859.06)
  other v1: 4431.2,1981
pads on no net: R501.3 U1.2 U1.10 U1.14 U1.21 U1.22 U1.26 U1.29 U1.39 U1.40 U1.41 U2.0 U2.2 U2.3 U2.4 U2.6 U2.8 U2.9 U4.2 U4.4 U4.5 U4.6 U4.7 U4.9 U4.10 U4.11 U4.12 U4.13 U4.14 U4.17 U4.19 U4.20 U5.2 Y100.0

## Keep-outs
Keep-Out Layer:
  lines w10: 2618.11,1967.55 ccw(c2755.91,1968.5) 2756.51,1830.71 ; 2618.11,3936.41 cw(c2755.91,3937.01) 2754.95,4074.8 ; 2619,1967.72 2619,3936.52 ; 2755.12,4076 6298.72,4076 ; 2756.51,1832 6303.99,1832 ; 6298.61,4074.8 cw(c6299.21,3937.01) 6437,3937.96 ; 6300.17,1830.71 ccw(c6299.21,1968.5) 6437.01,1969.11 ; 6437,1970.99 6437,3939.79

## Other copper
Top Layer:
  rectangle net GND: 2648,2173 2910,2250
  rectangle net GND: 2647,2174 2703,2683
  rectangle net GND: 3736,2623 3775,2779
  rectangle net GND: 3065,2623 3104,2780
  rectangle net GND: 3400,2623 3441,2781
  rectangle net GND: 2648,2623 3772,2683
  rectangle net GND: 2729,2625 2769,2781
  rectangle net POWER: 2713,3040 3961,3284
Bottom Layer:
  rectangle net POWER: 3646,2164 3709,3281
  rectangle net POWER: 2971,2162 3709,2276
  rectangle net POWER: 3312,2163 3374,3283
  rectangle net POWER: 2970,2163 3041,3284
  rectangle net MOTOR4: 3727,2352 3966,2590
  rectangle net MOTOR4: 3913,2352 3954,2912
  rectangle net MOTOR3: 3390,2352 3629,2590
  rectangle net MOTOR3: 3579,2351 3622,2910
  rectangle net MOTOR2: 3056,2352 3295,2592
  rectangle net MOTOR2: 3247,2352 3290,2912
  rectangle net MOTOR1: 2901,2354 2947,2926
  rectangle net MOTOR1: 2721,2354 2957,2589

## Silkscreen, mask and mechanical layers (free items; w line width, h text height)
Top Overlay:
  text "-" at 6422,3722 h50 r90
  text "+" at 6424,3409 h50 r90
  text "-" at 6381,3305 h50 r180
  text "A11" at 6230,3278 h50
  text "-" at 6427,3082 h50 r90
  text "Rx" at 6431,2960 h50 r90
  text "Tx" at 6432,2862 h50 r90
  text "+" at 6431,2774 h50 r90
  text "+" at 6147,2143 h50 r90
  text "-" at 6415,2134 h50 r90
  text "WIFI" at 4515,2077 h50
  text "REST" at 5313,2075 h50